# Altium PCB SAMC21_Xplained_Pro.PcbDoc (part 3 of 4) (continued)
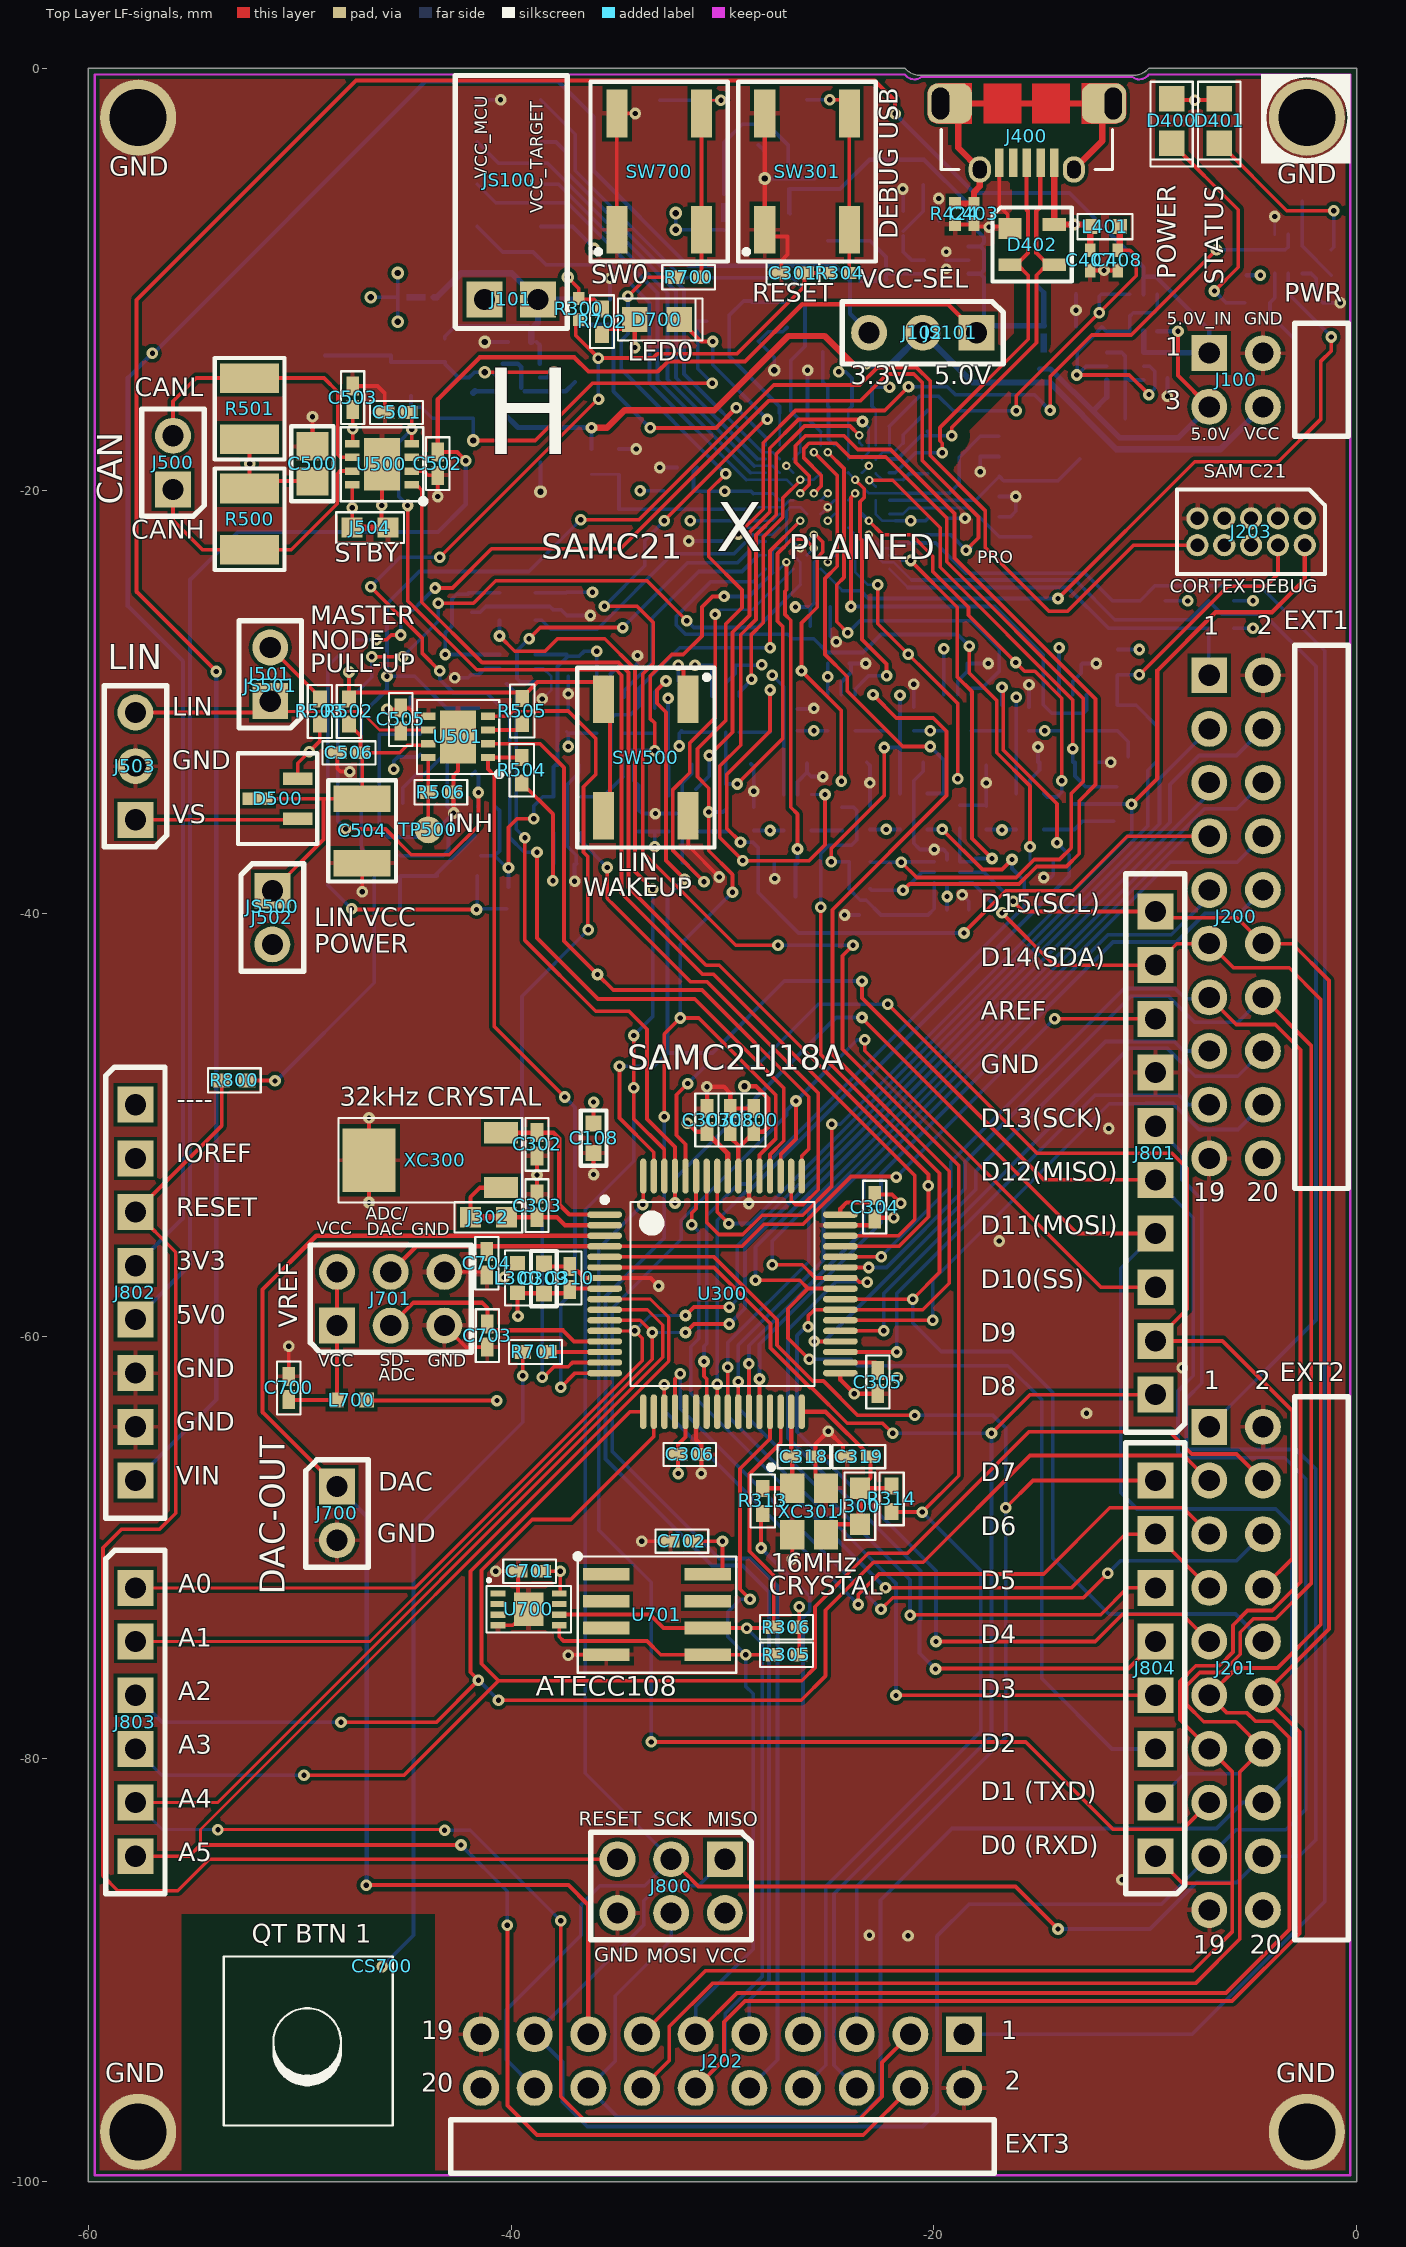
[diagram p0: Top Layer LF-signals view]
## Nets (pads, with @x,y where several pads share a name; then routed paths per layer and width w, separated by ;. In a path a pad name is that pad's centre, name@x,y a point inside that pad or via, vN(x,y) a via of type N, cw(c..) or ccw(c..) an arc to the next point about the centre after c; other vN are vias at no path point) (continued)
PB01_S5_SPI_SCK: J201.18@-4.43,-84.61 J202.18@-38.89,-95.57 J800.3@-32.429,-84.75 J801.6@-9.518,-50.066 U300.62 U606.4 | length 162.8
  Top Layer LF-signals w0.175: v1@-40.595,-26.875 v1@-40.55,-26.83 ; v1(-40.55,-26.875) -39.828,-27.597 -38.4,-27.597 -37.803,-27 -35.575,-27 -34.14,-28.435 -34.14,-38.012 v1(-33.302,-38.85) ; v1(-34.2,-45.775) v1(-34.2,-48.25) -34.2,-49.725 -32.75,-51.175 U300.62@-32.75,-52.425 ; J800.3@-32.429,-84.75 -31.141,-86.037 -16.138,-86.037 v1(-14.125,-88.05)
  Bottom Layer LF-signals w0.175: v1(-40.55,-26.875) U606.4@-40.55,-26.125 ; J202.18@-38.89,-95.57 -40.225,-94.235 -40.225,-91.875 -36.7,-88.35 -36.7,-86.9 -35.8,-86 -33.679,-86 J800.3@-32.429,-84.75 -36.5,-80.678 -36.5,-54.025 -34.2,-51.725 v1(-34.2,-48.25) ; v1(-34.2,-45.775) -33.302,-44.877 v1(-33.302,-38.85) ; v1(-14.125,-88.05) -9.775,-88.05 -7.575,-85.85 -5.67,-85.85 J201.18@-4.43,-84.61 -2.71,-84.61 -1.925,-83.825 -1.925,-66.3 -2.862,-65.363 -8.05,-65.363 -8.05,-62.95 -7.325,-62.225 -7.325,-53.529 -8.263,-52.591 -8.263,-51.321 J801.6@-9.518,-50.066
PB02_S5_SPI_MISO: J201.17@-6.97,-84.61 J202.17@-38.89,-93.03 J800.1@-29.889,-84.75 J801.5@-9.518,-52.606 R614.2 U300.63 | length 157.2
  Top Layer LF-signals w0.175: J202.17@-38.9,-93.02 J202.17@-38.89,-93.03 ; v1(-34.875,-47.225) -34.875,-49.675 -33.25,-51.3 U300.63@-33.25,-52.425 ; v1(-32.675,-29) -33.1,-29.425 -33.1,-30.05 -32.675,-30.475 -32.675,-37.5 v1(-31.8,-38.375) ; v1(-23.4,-43.2) -23.4,-44 -14.794,-52.606 J801.5@-9.518,-52.606
  Bottom Layer LF-signals w0.175: v1(-34.875,-47.225) -33.225,-47.225 -32.6,-46.6 ; R614.2@-33.2,-30.275 -33.2,-29.525 v1(-32.675,-29) ; v1(-31.8,-38.375) -32.6,-39.175 -32.6,-46.6 ; J800.1@-29.889,-84.75 -31.139,-86 -33.012,-86 -33.725,-86.713 -33.725,-87.865 J202.17@-38.89,-93.03 -37.575,-94.345 -37.575,-96.225 -36.4,-97.4 -20.538,-97.4 -19.85,-96.712 -19.85,-88.388 -18.337,-86.875 -9.235,-86.875 J201.17@-6.97,-84.61 -5.71,-83.35 -3.35,-83.35 -2.4,-82.4 -2.4,-66.75 -3.393,-65.757 -8.169,-65.757 -8.448,-65.479 -8.448,-64.752 -8.445,-64.75 -8.445,-62.595 -7.725,-61.875 -7.725,-54.399 J801.5@-9.518,-52.606 ; v1(-23.4,-43.2) -27.075,-43.2 -30.475,-46.6 -32.6,-46.6
PB03_S5_SPI_SS: J201.15@-6.97,-82.07 U300.64 | length 57.3
  Top Layer LF-signals w0.175: v1(-33.775,-53.775) -33.75,-53.75 U300.64@-33.75,-52.425 ; v1(-33.375,-79.2) -15.65,-79.2 -11.513,-83.337 -8.237,-83.337 J201.15@-6.97,-82.07
  Bottom Layer LF-signals w0.175: v1(-33.775,-53.775) -35.855,-55.855 -35.855,-69.17 -33.375,-71.65 v1(-33.375,-79.2)
PB04_GPIO: J202.5@-23.65,-93.03 J804.8@-9.518,-66.83 U300.5 | length 62.3
  Top Layer LF-signals w0.175: U300.5@-35.575,-56.25 -30.4,-56.25 -27.423,-59.227 -27.423,-60.431 -25.731,-62.123 -25.227,-62.123 -23.6,-63.75 v1(-20.9,-63.75) ; v1(-16.6,-68.125) -15.305,-66.83 J804.8@-9.518,-66.83
  Bottom Layer LF-signals w0.175: J202.5@-23.65,-93.03 -23.65,-86.038 -16.6,-78.988 v1(-16.6,-68.125) -16.6,-64.35 -17.2,-63.75 v1(-20.9,-63.75)
PB05_GPIO: J202.6@-23.65,-95.57 J801.1@-9.518,-62.766 U300.6 | length 65.2
  Top Layer LF-signals w0.175: U300.6@-35.575,-56.75 -30.4,-56.75 -27.733,-59.417 -27.733,-60.559 -25.859,-62.433 -25.792,-62.433 -24.1,-64.125 -22.425,-64.125 v1(-21.95,-64.6) ; v1(-17.275,-64.6) -15.441,-62.766 J801.1@-9.518,-62.766
  Bottom Layer LF-signals w0.175: J202.6@-23.65,-95.57 -24.723,-94.497 -24.723,-86.384 -17.275,-78.937 v1(-17.275,-64.6) v1(-21.95,-64.6)
PB06_AIN8_INN2: J202.4@-21.11,-95.57 J803.6@-57.778,-84.61 U300.9 | length 87
  Top Layer LF-signals w0.15: -54.7,-84.075 -54.7,-83.341 -32.54,-61.181 -32.54,-59.115 -33.405,-58.25 U300.9@-35.575,-58.25
  Top Layer LF-signals w0.175: J803.6@-57.778,-84.61 -55.235,-84.61 -54.7,-84.075 v1(-42.375,-84.075) ; v2@-40.175,-87.875 -40.175,-96.4 -38.775,-97.8 -23.34,-97.8 J202.4@-21.11,-95.57
  Bottom Layer LF-signals w0.175: v1(-42.375,-84.075) -40.187,-86.263 v2(-40.187,-87.875)
PB07_AIN9_INP2: J202.3@-21.11,-93.03 J803.5@-57.778,-82.07 U300.10 | length 88.7
  Top Layer LF-signals w0.15: J803.5@-57.778,-82.07 -53.895,-82.07 -32.825,-61 -32.825,-59.475 -33.55,-58.75 U300.10@-35.575,-58.75 ; v1(-53.875,-83.35) v1@-43.175,-83.35
  Top Layer LF-signals w0.175: v2(-37.65,-87.662) -37.65,-95.975 -36.475,-97.15 -23.625,-97.15 -22.45,-95.975 -22.45,-94.37 J202.3@-21.11,-93.03
  Bottom Layer LF-signals w0.15: J803.5@-57.778,-82.07 -56.498,-83.35 v1(-53.875,-83.35)
  Bottom Layer LF-signals w0.175: v1(-43.15,-83.375) -41.938,-83.375 v2(-37.65,-87.662)
PB08_INN1_Y14: J200.4@-4.43,-31.27 J803.2@-57.778,-74.45 U300.11 | length 77.2
  Top Layer LF-signals w0.15: J803.2@-57.778,-74.45 -46.678,-74.45 -33.325,-61.097 v1(-33.325,-59.825) -33.9,-59.25 U300.11@-35.575,-59.25
  Top Layer LF-signals w0.175: v1(-31.75,-59.825) -31.35,-59.425 v1(-29.675,-59.425)
  Bottom Layer LF-signals w0.15: v1(-33.325,-59.825) v1(-31.75,-59.825)
  Bottom Layer LF-signals w0.175: v1(-29.675,-59.425) -28.935,-58.685 -28.935,-55.8 -8.825,-35.69 -8.825,-33.9 -7.45,-32.525 -5.685,-32.525 J200.4@-4.43,-31.27
PB09_INP1_Y15: J200.3@-6.97,-31.27 J803.1@-57.778,-71.91 U300.12 | length 73.1
  Top Layer LF-signals w0.15: J803.1@-57.778,-71.91 -44.541,-71.91 -33.8,-61.169 -33.8,-60.1 v1(-34.15,-59.75) U300.12@-35.575,-59.75
  Top Layer LF-signals w0.175: v1(-31.75,-59.025) -31.35,-58.625 v1(-29.675,-58.625)
  Bottom Layer LF-signals w0.15: v1(-34.15,-59.75) -33.425,-59.025 v1(-31.75,-59.025)
  Bottom Layer LF-signals w0.175: v1(-29.675,-58.625) -29.3,-58.25 -29.3,-55.727 -9.325,-35.752 -9.325,-33.625 J200.3@-6.97,-31.27
PB10_S4_CDC_TX: U300.23 U602.4 | length 37.9
  Top Layer LF-signals w0.175: v3(-30.875,-61.2) -30.875,-61.9 -30.75,-62.025 U300.23@-30.75,-63.575 ; v1(-19.6,-36.025) -17.7,-37.925 -16.775,-37.925 v2(-16.3,-37.45)
  Bottom Layer LF-signals w0.175: v3(-30.875,-61.2) -30.875,-60.475 -30.75,-60.35 -30.75,-54.3 -29.25,-52.8 -28.85,-52.8 -15.725,-39.675 -15.725,-38.45 -16.3,-37.875 v2(-16.3,-37.45) ; U602.4@-20.3,-36.025 v1(-19.6,-36.025)
PB11_S4_CDC_RX: pad.3@-14.75,-39.35 R607.1 U300.24 | length 43.5
  Top Layer LF-signals w0.175: U300.24@-30.25,-63.575 v1(-30.25,-62.275) ; v1(-16.775,-29.3) -16.717,-29.358 -16.717,-32.269 -14.175,-34.812 v1(-14.175,-36.65)
  Bottom Layer LF-signals w0.175: v1(-30.25,-62.275) -30.25,-54.521 -28.839,-53.11 -28.722,-53.11 -23.612,-48 -23.375,-48 -13.6,-38.225 -13.6,-37.225 v1(-14.175,-36.65) ; R607.1@-16.775,-30.15 v1(-16.775,-29.3)
PB12_PWM_TC0_W0: J200.7@-6.97,-36.35 J804.4@-9.518,-76.99 R618.2 U300.25 | length 104.6
  Top Layer LF-signals w0.175: U300.25@-29.75,-63.575 v1(-29.75,-61.475) ; v1(-29.15,-36.625) -29.798,-35.977 -29.798,-33.423 -27.75,-31.375 v1(-27.75,-29.425) ; v2(-21.792,-77) -21.782,-76.99 J804.4@-9.518,-76.99 ; v2(-18.575,-40.925) -18.575,-40.9 -16.602,-38.927 -13.427,-38.927 -10.85,-36.35 J200.7@-6.97,-36.35
  Bottom Layer LF-signals w0.175: v1(-29.15,-36.625) -28.575,-36.625 -28.302,-36.898 -28.302,-39.023 -26.4,-40.925 v2(-18.575,-40.925) ; R618.2@-27.75,-30.225 v1(-27.75,-29.425) ; v2(-21.792,-77) -21.792,-71.704 -22.084,-71.412 -22.113,-71.412 -29.75,-63.775 v1(-29.75,-61.475) -29.75,-60.3 -25.925,-56.475 -25.925,-54.213 -8.062,-36.35 J200.7@-6.97,-36.35
PB13_PWM_TC0_W1: J200.8@-4.43,-36.35 J804.6@-9.518,-71.91 U300.26 | length 65.9
  Top Layer LF-signals w0.175: U300.26@-29.25,-63.575 v1(-29.25,-62.15) ; v1@-21.125,-73.175 -21.12,-73.18 -12.107,-73.18 -10.837,-71.91 J804.6@-9.518,-71.91
  Bottom Layer LF-signals w0.175: v1(-21.125,-73.2) -21.125,-71.525 -29.25,-63.4 v1(-29.25,-62.15) -29.25,-60.425 -25.225,-56.4 -25.225,-53.975 -8.825,-37.575 -5.655,-37.575 J200.8@-4.43,-36.35
PB14_GPIO_IRQ14_Y30: J200.9@-6.97,-38.89 U300.27 | length 35.5
  Top Layer LF-signals w0.175: U300.27@-28.75,-63.575 v1(-28.75,-61.3)
  Bottom Layer LF-signals w0.175: v1(-28.75,-61.3) -28.75,-60.45 -23.325,-55.025 -23.325,-52.575 -11.763,-41.013 -8.763,-41.013 -6.97,-39.22 J200.9@-6.97,-38.89
PB15_GPIO_SS_Y31: J200.10@-4.43,-38.89 U300.28 | length 37.3
  Top Layer LF-signals w0.175: U300.28@-28.25,-63.575 v1(-28.25,-62.025)
  Bottom Layer LF-signals w0.175: v1@-28.25,-62.05 -28.25,-60.388 -22.5,-54.638 -22.5,-52.325 -11.525,-41.35 -8.525,-41.35 -7.175,-40 -5.54,-40 J200.10@-4.43,-38.89
PB16_GPIO_IRQ0: J201.9@-6.97,-74.45 R619.2 U300.39 | length 75.5
  Top Layer LF-signals w0.175: v1(-25.95,-59.55) -25.95,-59.05 -25.65,-58.75 U300.39@-24.425,-58.75 -20.525,-58.75 -19.275,-57.5 -19.275,-52.2 -24.8,-46.675 -24.8,-39.825 -19.4,-34.425 -19.4,-31.375 -20.025,-30.75 -21.775,-30.75 v2(-22.881,-29.644) ; v1(-19.9,-74.45) -12.363,-74.45 -11.075,-73.163 -8.257,-73.163 J201.9@-6.97,-74.45
  Bottom Layer LF-signals w0.175: v1(-25.95,-59.55) -26,-59.5 -26.475,-59.975 -26.475,-64.525 -19.9,-71.1 v1(-19.9,-74.45) ; v2(-22.881,-29.644) R619.2@-22.275,-30.25
PB17_GPIO_SS: J201.10@-4.43,-74.45 R620.2 U300.40 | length 60.3
  Top Layer LF-signals w0.175: v1(-25.351,-39.702) -25.351,-46.674 -19.73,-52.295 -19.73,-56.98 v1(-21,-58.25) U300.40@-24.425,-58.25
  Bottom Layer LF-signals w0.175: v1(-25.351,-39.702) -25.351,-39.824 -25.35,-39.825 -25.35,-37.163 -24.962,-36.775 -23.9,-36.775 -23.65,-36.525 -23.65,-35.125 -23.8,-34.975 R620.2@-24.35,-34.975 ; v1(-21,-58.25) -21,-59.375 -19.65,-60.725 -16.312,-60.725 -14.375,-62.662 -14.375,-70.5 -11.725,-73.15 -5.73,-73.15 J201.10@-4.43,-74.45
PB22_LIN_EN: U300.49 U501.2 | length 30.8
  Top Layer LF-signals w0.175: U501.2@-41.1,-31.97 -38.63,-31.97 -37.5,-33.1 -37.5,-41.3 v3(-35.913,-42.887) -35.175,-43.625 -30.975,-43.625 -25.925,-48.675 -25.925,-51.15 -26.25,-51.475 U300.49@-26.25,-52.425
PB23_SS_EN: U300.50 U604.4 | length 24.8
  Top Layer LF-signals w0.15: v3(-35.45,-37.825) -35.45,-39.3 -35.256,-39.494
  Top Layer LF-signals w0.175: -35.256,-39.494 -31.525,-43.225 -30.75,-43.225 -25.475,-48.5 -25.475,-53.075 -26.175,-53.775 -26.55,-53.775 -26.75,-53.575 U300.50@-26.75,-52.425
  Bottom Layer LF-signals w0.175: U604.4@-36.7,-36.175 -36.7,-36.575 v3(-35.45,-37.825)
PB30_PWM_TCC0_W0: J201.7@-6.97,-71.91 J804.7@-9.518,-69.37 U300.59 | length 40.9
  Top Layer LF-signals w0.175: v1(-31.45,-54.725) -31.45,-54.175 -31.25,-53.975 U300.59@-31.25,-52.425 ; v1(-22.29,-71.91) -13.485,-71.91 -10.945,-69.37 J804.7@-9.518,-69.37 -6.978,-71.91 J201.7@-6.97,-71.91
  Bottom Layer LF-signals w0.175: v1(-31.45,-54.725) -31.125,-55.05 -31.125,-60.125 -31.5,-60.5 -31.5,-62.7 v1@-22.425,-71.775
PB31_PWM_TCC0_W1: J201.8@-4.43,-71.91 J801.2@-9.518,-60.226 U300.60 | length 58.8
  Top Layer LF-signals w0.175: U300.60@-31.75,-52.425 -31.75,-50.925 -32.175,-50.5 -32.175,-48.575 v1(-31.65,-48.05) ; v1(-22.175,-44.3) -15.125,-51.35 -8.727,-51.35 -8.025,-52.052 -8.025,-58.733 J801.2@-9.518,-60.226 -6.349,-60.226 -3.035,-63.54 -3.035,-70.515 J201.8@-4.43,-71.91
  Bottom Layer LF-signals w0.175: v1(-31.65,-48.05) -30.875,-47.275 -28.45,-47.275 -25.475,-44.3 v1(-22.175,-44.3)
POWER_LED_CTRL: Q400.2 R410.1 U400.K4 | length 37.4
  Top Layer LF-signals w0.175: v1(-29.25,-22.05) -28.075,-20.875 -28.075,-17.725 -26.55,-16.2 -22.325,-16.2 v1(-21.2,-15.075) ; v3(-14.5,-16.2) -14.5,-14.604 -12.529,-12.633 -10.658,-12.633 v2(-6.625,-8.6)
  Bottom Layer LF-signals w0.125: -28.95,-21.75 U400.K4@-27.95,-21.75
  Bottom Layer LF-signals w0.175: v1(-29.25,-22.05) -28.95,-21.75 ; v1(-21.2,-15.075) -19.363,-15.075 -18.975,-15.462 -15.238,-15.462 v3(-14.5,-16.2) ; v2(-6.625,-8.6) R410.1@-5.2,-8.6 -3.375,-8.6 -3.225,-8.45 Q400.2@-3.225,-7.875
RESET_UNO: J800.5@-34.969,-84.75 J802.3@-57.778,-54.13 R800.2 | length 67.8
  Top Layer LF-signals w0.175: R800.2@-53.7,-47.9 -53.7,-50.052 J802.3@-57.778,-54.13 -55.875,-56.033 -55.875,-68.375 -56.63,-69.13 -58.43,-69.13 -59.315,-70.015 -59.315,-85.537 -58.615,-86.238 -55.775,-86.238 -54.287,-84.75 J800.5@-34.969,-84.75
SHIELD: C403.2 J400.6@-11.512,-1.675 J400.7@-19.687,-1.675 J400.8@-13.375,-4.8 J400.9@-17.825,-4.8 R424.2 | length 18.7
  Top Layer LF-signals w0.2: -16.8,-1.675 -16.775,-1.65 ; -14.55,-1.575 -14.45,-1.675
  Top Layer LF-signals w0.3: R424.2@-19,-6.4 -18.975,-6.425 C403.2@-18.1,-6.425 -18.1,-5.875 -17.825,-5.6 J400.9@-17.825,-4.8 -18.85,-3.775 -18.85,-2.512 J400.7@-19.687,-1.675 -16.8,-1.675 -14.65,-1.675 -14.55,-1.575 ; -14.45,-1.675 J400.6@-11.512,-1.675 -12.025,-2.188 -12.025,-3.45 J400.8@-13.375,-4.8
STATUS_LED_CTRL: Q400.5 R413.2 U400.F1 | length 35.7
  Top Layer LF-signals w0.175: v2(-14.125,-25.1) -7.656,-18.631 -3.706,-18.631 -1.7,-16.625 -1.7,-13.888 -1.2,-13.387 v3(-1.2,-12.725)
  Bottom Layer LF-signals w0.125: U400.F1@-25.35,-23.7 -24.325,-24.725
  Bottom Layer LF-signals w0.175: -24.325,-24.725 -23.475,-24.725 -23.1,-25.1 v2(-14.125,-25.1) ; Q400.5@-3.225,-9.725 -3.225,-10.675 R413.2@-2.8,-11.1 -1.2,-12.7 v3(-1.2,-12.725)
T\A\R\G\E\T\_\V\C\C\_\E\N\A\B\L\E\: pad.3@-28.529,-14.787 Q102.1 R105.2 U400.J10 | length 10.2
  Bottom Layer LF-signals w0.125: U400.J10@-27.3,-17.85 -27.3,-16.325
  Bottom Layer LF-signals w0.175: -27.3,-16.325 -27.3,-16.017 pad.3@-28.529,-14.787 -29.687,-13.629 -29.687,-11.712 -29,-11.025 Q102.1@-28.65,-11.025 -28.6,-11.075 R105.2@-26.95,-11.075
TARGET_CDC_RX: R607.2 U601.4 | length 1.4
  Bottom Layer LF-signals w0.175: U601.4@-18.225,-31.35 R607.2@-16.775,-31.35
TARGET_DGI_GPIO0: R618.1 U607.4 | length 1.4
  Bottom Layer LF-signals w0.175: U607.4@-29.2,-31.425 R618.1@-27.75,-31.425
TARGET_DGI_GPIO1: R619.1 U609.4 | length 1.5
  Bottom Layer LF-signals w0.175: U609.4@-23.725,-31.35 R619.1@-22.275,-31.35
TARGET_DGI_GPIO2: R620.1 U611.4 | length 1.5
  Bottom Layer LF-signals w0.175: U611.4@-25.8,-36.075 R620.1@-24.35,-36.075
TARGET_DGI_GPIO3: R621.1 U612.4 | length 1.5
  Bottom Layer LF-signals w0.175: U612.4@-31.25,-36.125 R621.1@-29.8,-36.125
TARGET_DGI_SPI_MISO: R614.1 U608.4 | length 1.4
  Bottom Layer LF-signals w0.175: U608.4@-34.65,-31.475 R614.1@-33.2,-31.475
TARGET_RESET: Q601.3 R624.1 U400.B4 | length 69.5
  Top Layer LF-signals w0.175: v1(-47.55,-39.775) -47.512,-39.813 v1(-41.638,-39.813) ; v1(-46.375,-27.05) -45.9,-27.05 -45.675,-26.825 v1(-45.225,-26.825) ; v1(-43.6,-24.6) -42.775,-24.6 -40.925,-22.75 -34.825,-22.75 -27.823,-15.748 -23.483,-15.748 -22.21,-14.475 -20.95,-14.475 -20.55,-14.875 -20.55,-18.571 -17.885,-21.236 -17.885,-22.223 v3(-18.475,-22.813)
  Bottom Layer LF-signals w0.125: U400.B4@-22.75,-21.75 -22.425,-22.075 -21.8,-22.075
  Bottom Layer LF-signals w0.175: v1(-47.55,-39.775) -48.675,-38.65 -48.675,-28.3 -47.425,-27.05 v1(-46.375,-27.05) ; v1(-45.225,-26.825) -45.225,-26.225 v1(-43.6,-24.6) ; v1(-41.638,-39.813) v1@-41.6,-39.775 ; Q601.3@-41.6,-38.225 v1@-41.6,-39.775 ; R624.1@-40.213,-39.775 v1@-41.6,-39.775 ; -21.8,-22.075 -19.213,-22.075 v3(-18.475,-22.813) ; v3@-18.475,-22.688 v3@-18.225,-22.688
TARGET_RESET_CON: J203.10@-7.53,-22.575 R609.1 R610.2 R800.1 | length 83.8
  Top Layer LF-signals w0.175: R800.1@-52.5,-47.9 -51.2,-47.9 v1@-51.15,-47.95 ; v1(-36.712,-21.375) -33.946,-21.375 -27.571,-15 -23.502,-15 -22.667,-14.165 -20.822,-14.165 -20.175,-14.812 -20.175,-18.329 -17.575,-20.929 -17.575,-22.675 -14.55,-25.7 -13.675,-25.7 -10.55,-22.575 J203.10@-7.53,-22.575
  Bottom Layer LF-signals w0.175: v1@-51.15,-47.95 -46.475,-43.275 -46.475,-37.513 -47.1,-36.888 -47.1,-30.625 -45.875,-29.4 v1(-45.875,-28.775) ; R609.1@-41.55,-30.275 -43.062,-30.275 -44.562,-28.775 v1(-45.875,-28.775) ; v1(-36.712,-21.375) -39.162,-23.825 -44.35,-23.825 -45.875,-25.35 v1(-45.875,-28.775)
  other v1: -51.175,-47.925
TARGET_RESET_SENSE: C301.1 R300.1 R304.2 R609.2 U300.52 | length 71.8
  Top Layer LF-signals w0.175: v3(-46.65,-24.537) -44.2,-26.987 -44.2,-27.7 v1(-43.375,-28.525) ; v1(-43.375,-23.145) -35.905,-15.675 v2(-35.862,-15.675) ; v2(-38.775,-37.1) -38.775,-41.163 -35.887,-44.05 -31.312,-44.05 -27.1,-48.262 -27.1,-50.755 -27.75,-51.405 U300.52@-27.75,-52.425 ; R300.1@-36.95,-11.9 -36.95,-12.638 -35.865,-13.723 -33.3,-13.723 -33.102,-13.525 -29.325,-13.525 -26.125,-10.325 C301.1@-26.125,-9.7 R304.2@-25,-9.7
  Bottom Layer LF-signals w0.175: v3(-46.65,-24.537) -45.258,-23.145 v1(-43.375,-23.145) ; v1@-43.375,-28.475 v1(-43.375,-28.525) -43.375,-28.925 -42.725,-29.575 -41.15,-29.575 -40.073,-30.652 -40.073,-36.406 -39.379,-37.1 v2(-38.775,-37.1) ; v2@-35.875,-15.675 v1(-35.875,-13.725)
TARGET_RESET_SENSE_LEVEL: Q600.6 R603.1 U400.H2 | length 45.2
  Top Layer LF-signals w0.175: v1(-47.825,-36) -45.95,-36 -44.725,-37.225 -42.925,-37.225 -41.55,-35.85 v1(-41.55,-34.275) ; v1(-46.6,-27.85) v3(-45.125,-27.85) ; v1(-43.45,-25.325) -41.787,-25.325 -40.725,-24.262 -33.575,-24.262 v1(-31.688,-26.15)
  Bottom Layer LF-signals w0.125: U400.H2@-26.65,-23.05 -26.325,-23.375 -26.325,-24.45
  Bottom Layer LF-signals w0.175: v1(-47.825,-36) -48.2,-35.625 -48.2,-30.425 -46.6,-28.825 v1(-46.6,-27.85) ; v3(-45.125,-27.85) -43.45,-26.175 v1(-43.45,-25.325) ; Q600.6@-41.85,-33.425 Q600.6@-41.7,-33.275 ; Q600.6@-41.6,-33.425 -41.55,-33.475 v1(-41.55,-34.275) -41.55,-34.9 R603.1@-41.587,-34.937 ; v1(-31.688,-26.15) -31.363,-26.475 -28.35,-26.475 -26.325,-24.45
TARGET_RESET_SENSE_X: pad.3@-46.237,-31.525 Q600.3 Q601.6 R610.1 | length 11
  Bottom Layer LF-signals w0.175: R610.1@-44.775,-29.775 -44.775,-30.375 -44.3,-30.85 Q600.3@-44.3,-31.525 pad.3@-46.237,-31.525 -46.237,-35.975 -45.825,-36.387 Q601.6@-43.7,-36.387
TARGET_SWCLK: pad.3@-10.8,-32.575 R612.1 U605.4 | length 2.9
  Bottom Layer LF-signals w0.175: U605.4@-12.775,-31.35 -12.125,-31.35 R612.1@-11.325,-31.35 -10.8,-31.875 pad.3@-10.8,-32.575
TARGET_SWDIO: pad.3@-11.5,-35.637 R611.1 U603.4 | length 3.5
  Bottom Layer LF-signals w0.175: U603.4@-14.8,-36.025 R611.1@-13.35,-36.025 -12.962,-35.637 pad.3@-11.5,-35.637
VCC_AREF_P3V3_P5V0: C700.1 J701.1@-48.24,-59.5 J701.2@-48.24,-56.96 L700.2 | length 8.4
  Top Layer LF-signals w0.2: C700.1@-50.525,-63 -50.5,-63.025 L700.2@-48.25,-63.025 ; L700.2@-48.24,-63.025 J701.1@-48.24,-59.5 J701.2@-48.24,-56.96
VCC_EDBG_P3V3: C409.1 C410.1 C411.1 C412.1 C413.1 C414.1 C415.1 C600.1 C602.1 C604.1 C606.1 C608.1 C610.1 C612.1 C614.1 C616.1 C618.1 C620.1 C622.1 C624.1 D400.2 D401.2 J104.1 L402.1 Q601.2 R401.2 R402.2 R409.2 R410.2 R601.2 R602.2 R603.2 R624.2 TP407.1 U400.B5 U400.B6 U400.D9 U400.D10 U400.E5 U400.F2 U400.F6 U400.J5 U600.1 U601.1 U602.1 U603.1 U604.1 U605.1 U606.1 U607.1 U608.1 U609.1 U610.1 U611.1 U612.1 | length 98.3
  Top Layer LF-signals w0.175: v1(-40.125,-37.838) -40.125,-35.925 -39.725,-35.525 v1(-38.925,-35.525) ; v1(-24.85,-37.55) -24.85,-36.925 -22.35,-34.425 v1(-22.35,-32.15)
  Top Layer LF-signals w0.2: D400.2@-8.756,-1.518 D401.2@-6.47,-1.518
  Bottom Layer LF-signals w0.125: -28.159,-21.425 -27.625,-21.425 U400.J5@-27.3,-21.1 ; C412.1@-25.675,-25.325 -25.675,-23.375 U400.F2@-25.35,-23.05 ; U400.F6@-25.35,-20.45 v6(-25.025,-20.125) ; v6(-25.025,-21.425) U400.E5@-24.7,-21.1 ; U400.D9@-24.05,-18.5 U400.D10@-24.05,-17.85 C410.1@-24.05,-16.175 ; U400.B6@-22.75,-20.45 U400.B5@-22.75,-21.1 -22.425,-21.425 -21.825,-21.425
  Bottom Layer LF-signals w0.175: Q601.2@-41.425,-37.275 -40.775,-37.275 ; R603.2@-40.75,-34.975 -40.7,-34.975 -40.55,-35.125 -40.55,-37.05 -40.775,-37.275 ; v1@-40.2,-37.838 -40.213,-37.838 -40.775,-37.275 ; R624.2@-40.125,-38.762 v1(-40.125,-37.838) ; v1(-38.925,-35.525) -38.925,-34.9 -38.5,-34.475 U604.1@-38,-34.475 -38,-33.075 C608.1@-37.9,-32.975 ; U610.1@-38.85,-27.75 C620.1@-37.375,-27.75 ; U606.1@-38.85,-24.825 -37.4,-24.825 -37.375,-24.8 v1(-36.15,-24.8) ; TP407.1@-38.6,-7.5 -37.1,-7.5 v1(-36.062,-8.538) ; C608.1@-37.805,-32.975 -37.805,-28.315 -37.375,-27.885 -37.375,-27.825 -36.775,-27.825 -36.55,-27.6 v1(-35.95,-27.6) U608.1@-35.95,-29.775 ; v1(-33.9,-20) L402.1@-32.775,-20 ; v1(-32.575,-29.825) -32.575,-32.925 -32.55,-32.95 U612.1@-32.55,-34.425 ; v5(-32.213,-6.863) v5(-32.213,-7.656) -29.944,-7.656 J104.1@-29.925,-7.675 ; v1(-31.525,-21.425) C414.1@-30.875,-21.425 C413.1@-30,-21.425 -28.159,-21.425 ; v1(-31.3,-28.25) C614.1@-30.5,-28.25 ; U607.1@-30.5,-29.725 C614.1@-30.5,-28.25 ; C614.1@-30.425,-28.25 C614.1@-30.5,-28.25 ; v2@-27.675,-28.75 v2(-27.65,-28.725) -27.1,-29.275 -27.1,-32.9 U611.1@-27.1,-34.375 ; v2(-26.55,-25.5) C412.1@-25.85,-25.5 ; C415.1@-25.85,-26.4 C412.1@-25.85,-25.5 ; C412.1@-25.675,-25.325 C412.1@-25.85,-25.5 ; U609.1@-25.025,-29.65 C618.1@-25.025,-28.175 ; v1(-24.85,-37.55) R602.2@-24,-37.55 -24,-38.8 R601.2@-24.025,-38.825 -23.478,-39.373 -23.203,-39.373 C600.1@-22.5,-40.075 -20.275,-40.075 -19.98,-39.78 U600.1@-19.98,-38.55 ; v2(-24.5,-14.375) -24.175,-14.375 -23.875,-14.675 C409.1@-23.875,-15.1 C410.1@-23.875,-16 C410.1@-24.05,-16.175 ; v1(-22.35,-32.15) -21.6,-32.15 ; -21.825,-21.425 v4(-21.1,-21.425) -20.4,-21.425 C411.1@-20.275,-21.3 ; U602.1@-21.6,-34.325 -21.6,-32.85 -21.6,-32.15 ; v1(-21.6,-29.675) -21.6,-32.15 ; U601.1@-19.525,-29.65 v1(-19.525,-27.475) ; U603.1@-16.1,-34.325 v1(-16.1,-29.775) ; U605.1@-14.075,-29.65 v1(-14.075,-27.425) ; R401.2@-9.037,-25.2 -8,-25.2 v2(-7.987,-25.212) ; R409.2@-5.8,-26.5 v4(-4.9,-26.5) ; R402.2@-5.8,-25.2 v4(-4.9,-25.2)
  Bottom Layer LF-signals w0.2: R410.2@-5.2,-9.8 v4(-4.55,-9.8)
  other v1: -25.025,-28.8 -7.65,-1.525
VCC_EDBG_USB_P5V0: C408.1 L401.2 Q100.1 R103.2 U400.A10 | length 21.8
  Top Layer LF-signals w0.175: v3(-16.1,-16.213) -16.1,-15.5 -10.425,-9.825 -10.425,-8.925 -10.725,-8.625 C408.1@-11.3,-8.625
  Top Layer LF-signals w0.3: C408.1@-11.3,-8.625 -11.2,-8.525 L401.2@-11.2,-7.5
  Bottom Layer LF-signals w0.125: U400.A10@-22.1,-17.85 -22.1,-16.95
  Bottom Layer LF-signals w0.175: -22.1,-16.95 -20.675,-15.525 -19.775,-15.525 -19.087,-16.213 v3(-16.1,-16.213) ; v1(-12.175,-11.575) -12.175,-10.8 R103.2@-12.075,-10.7 Q100.1@-10.725,-10.7
VCC_EXT_GATE: Q100.3 Q100.6 Q100.7 Q100.8 Q101.2 Q101.5 R107.2 | length 14.2
  Top Layer LF-signals w0.175: v3@-13.213,-14.525 -10.75,-14.525 v1(-9.825,-15.45)
  Bottom Layer LF-signals w0.175: R107.2@-12.237,-12.438 -12.05,-12.25 -11.85,-12.45 Q100.6@-10.725,-12.45 -10.725,-11.735 Q100.7@-10.565,-11.575 Q100.8@-9.585,-11.575 -9.425,-11.415 Q100.3@-9.425,-10.7 ; R107.2@-12.225,-12.45 -13.213,-13.438 -13.213,-14.525 -12.798,-14.11 Q101.5@-11.825,-14.11 ; Q101.2@-10.075,-14.11 -9.79,-14.11 -9.55,-14.35 -9.55,-15.175 v1(-9.825,-15.45)
  other v3: -13.238,-14.525
VCC_EXT_P5V0: J100.1@-6.97,-13.49 J802.8@-57.778,-66.83 Q100.2 Q100.5 Q101.1 R106.2 | length 125.6
  Top Layer LF-signals w0.2: v2(-53.95,-28.55) -57.725,-24.775 -57.725,-10.975 -47.335,-0.585 -22.8,-0.585 -21.838,-1.548 v1(-21.838,-2.163)
  Bottom Layer LF-signals w0.2: J802.8@-57.778,-66.83 -53.95,-63.002 v2(-53.95,-28.55) ; v1(-21.838,-2.163) -18.088,-5.913 -13.587,-5.913 -10.075,-9.425 -10.075,-9.888 ; Q100.2@-10.075,-10.7 -10.075,-9.888 ; J100.1@-6.97,-13.49 -6.97,-12.393 -9.488,-9.875 -10.062,-9.875 -10.075,-9.888
  Bottom Layer LF-signals w0.25: Q100.5@-10.075,-12.45 Q101.1@-10.075,-13.46 -8.965,-13.46 R106.2@-8.95,-13.475 -6.985,-13.475 J100.1@-6.97,-13.49
VCC_IN_P5V0: J100.3@-6.97,-16.03 J103.2 Q100.4 Q101.4 | length 16.9
  Top Layer LF-signals w0.2: v1(-8.45,-12.45) -8.45,-14.55 J100.3@-6.97,-16.03
  Bottom Layer LF-signals w0.2: Q100.4@-9.425,-12.45 v1(-8.45,-12.45)
  Bottom Layer LF-signals w0.25: J103.2@-14.987,-14.238 -14.483,-14.238 -13.408,-15.312 -13.388,-15.312 -12.475,-16.225 ; Q101.4@-11.825,-14.76 -11.825,-15.575 -12.475,-16.225 ; J100.3@-6.97,-16.03 -8.428,-17.488 -11.212,-17.488 -12.475,-16.225
VCC_MCU_CORE: C300.1 C308.1 U300.55 | length 7.1
  Top Layer LF-signals w0.2: C308.1@-29.475,-50.487 C308.1@-29.637,-50.325 -29.637,-50.6 -29.25,-50.987 -29.25,-51.1 ; U300.55@-29.25,-52.425 -29.25,-51.1 ; v10(-28.962,-48.175) -28.413,-48.175 -27.838,-48.75 -27.838,-50.113 -28.05,-50.325 C300.1@-28.525,-50.325 -28.525,-50.375 -29.25,-51.1